# Altium PCB PROC054D_MMWCAS_RF_EVM.PcbDoc (part 3 of 14)
Units mil, origin at the board's own origin, x right, y up, seen from the top; angles counter-clockwise.
Board outline 6299.21 x 5370.07 mil, 8 copper layers (L1 TOP, L2 GND, L3 SIGNAL 1, L4 GND, L5 SIGNAL 2, L6 SIGNAL 3, L7 GND, L8 BOTTOM), stack 53.5 mil thick; 775 components, 552 nets, 2648 pads, 7845 vias.
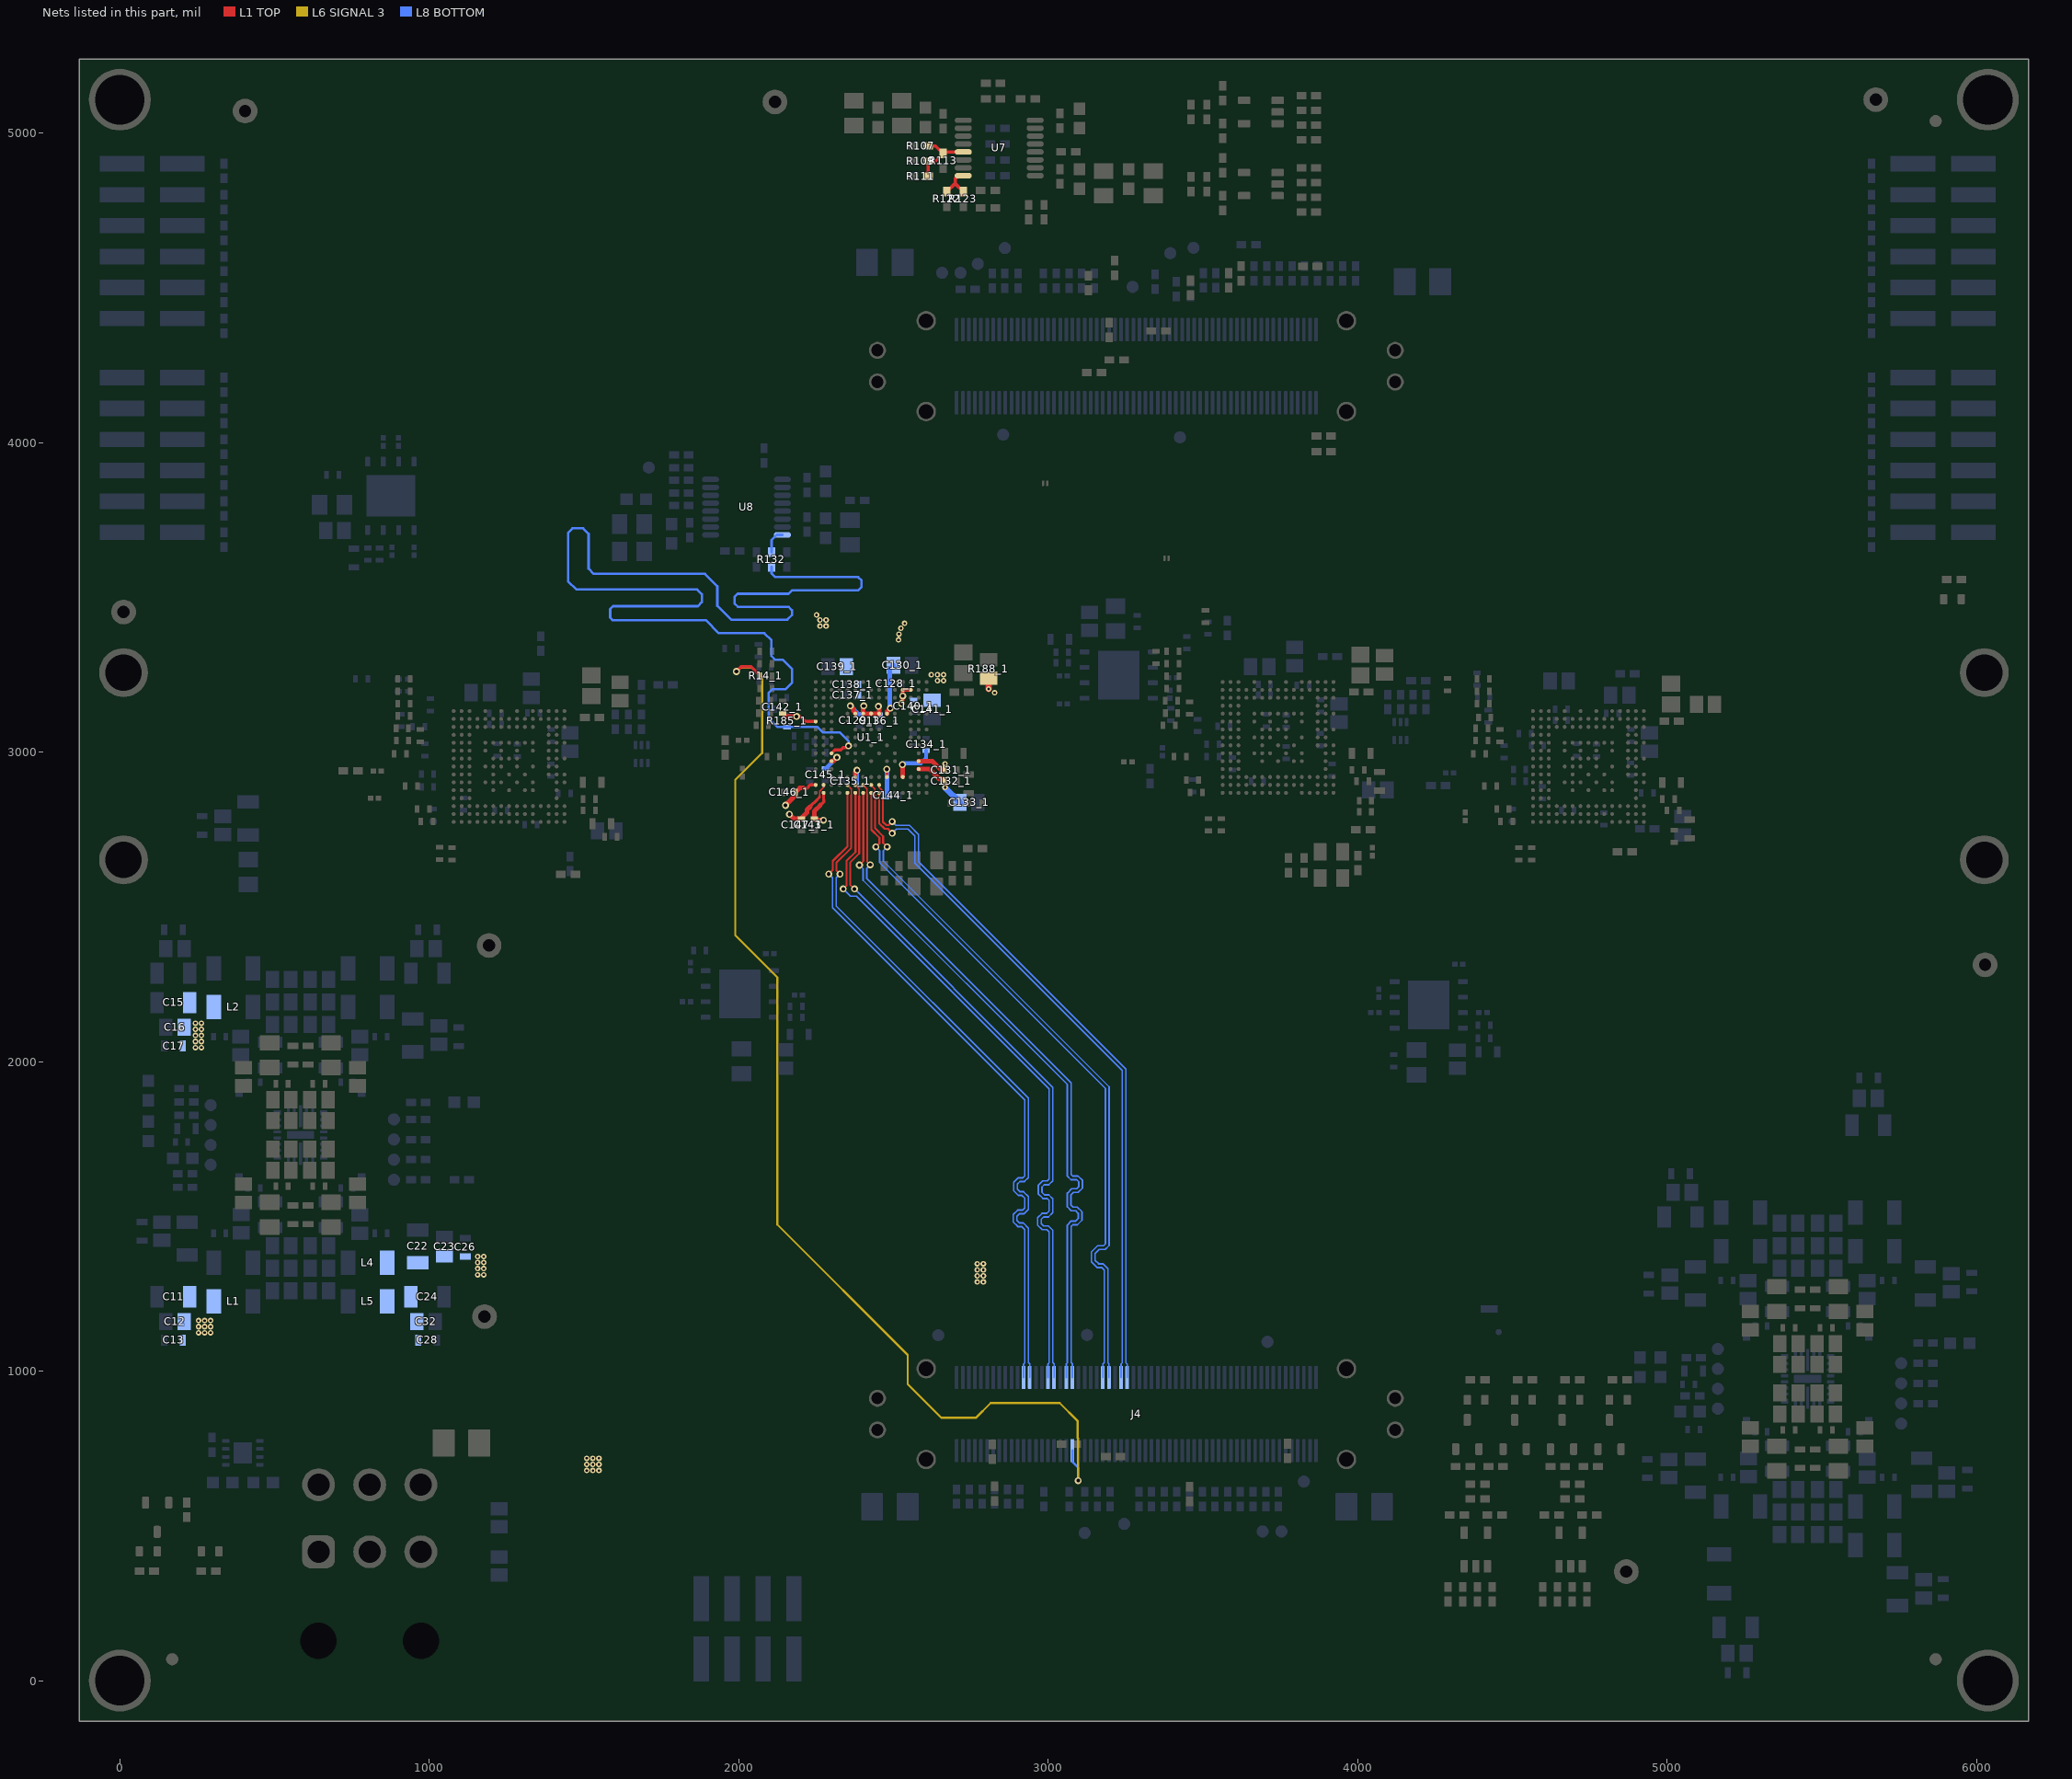
[diagram p9: the nets of this part, all layers, seen from the top]

## Components (designator, comment, footprint, x,y, rotation, side; value= is the part's Value field where it differs from the comment) (continued)
TP12 "TP_SM_1MM" TP_SM_1MM 3125.61,1116.7 r90 bottom locked
TP13 "TP_SM_1MM" TP_SM_1MM 3425.79,4016.95 r90 bottom locked
TP14 "TP_SM_1MM" TP_SM_1MM 293.43,1795.08 r90 bottom locked
TP15 "TP_SM_1MM" TP_SM_1MM 3709,1094.73 r90 bottom locked
TP16 "5001" Keystone5001 12.11,3452.63 r90 bottom
TP17 "5001" Keystone5001 2117.05,5100.49 r90 bottom
TP18 "5001" Keystone5001 6027.77,2312.91 r90 bottom
TP19 "5001" Keystone5001 1193.1,2375.16 r180 bottom locked
TP20 "5001" Keystone5001 4868.23,352.27 r90 bottom locked
TP21 "TP_SM_1MM" TP_SM_1MM 5164.16,1071.47 r0 bottom locked
TP22 "TP_SM_1MM" TP_SM_1MM 5756.51,1025.4 r180 bottom locked
TP23 "TP_SM_1MM" TP_SM_1MM 5756.51,830.34 r0 bottom locked
TP24 "TP_SM_1MM" TP_SM_1MM 5164.16,878.74 r0 bottom locked
TP25 "5001" Keystone5001 1178.5,1176.1 r90 bottom locked
TP26 "TP_SM_1MM" TP_SM_1MM 5756.51,960.38 r0 bottom locked
TP27 "TP_SM_1MM" TP_SM_1MM 5756.51,895.36 r90 bottom locked
TP28 "TP_SM_1MM" TP_SM_1MM 5164.16,942.99 r180 bottom locked
TP29 "5001" Keystone5001 404.68,5071.3 r90 bottom locked
TP30 "5001" Keystone5001 5674.54,5108 r90 bottom locked
TP31 "TP_SM_1MM" TP_SM_1MM 5164.16,1007.23 r0 bottom locked
TP32 "TP_SM_1MM" TP_SM_1MM 2645.03,1115.91 r90 bottom locked
TP33 "TP_SM_1MM" TP_SM_1MM 2657.29,4548.68 r270 bottom locked
U1_1 "XA2243PBGABL" ABL0161A 2427.89,3047.5 r270 top locked (schematic designator U1)
U1_2 "XA2243PBGABL" ABL0161A 4745.89,2953.5 r270 top locked (schematic designator U1)
U1_3 "XA2243PBGABL" ABL0161A 3742.89,3047.5 r270 top locked (schematic designator U1)
U1_4 "XA2243PBGABL" ABL0161A 1257.89,2953.5 r270 top locked (schematic designator U1)
U2_1 "MX25V1635FZNQ" WSON-8L_6x5MM_EP 2003.3,2218.45 r0 bottom locked (schematic designator U2)
U2_2 "MX25V1635FZNQ" WSON-8L_6x5MM_EP 4229.96,2183.17 r0 bottom locked (schematic designator U2)
U2_3 "MX25V1635FZNQ" WSON-8L_6x5MM_EP 3227.96,3249 r180 bottom locked (schematic designator U2)
U2_4 "MX25V1635FZNQ" WSON-8L_6x5MM_EP 875.89,3828.1 r270 bottom locked (schematic designator U2)
U3 "LP87524PRNFTQ1" RNF0026C 583.54,1762.96 r180 bottom locked
U4 "LP87524PRNFTQ1" RNF0026C 5454.26,975.11 r180 bottom locked
U5 "TPS73733QDRBRQ1" DRB0008A 397.12,735.77 r0 bottom locked
U6 "SN74LVC1G08QDBVRQ1" DBV0005A_N 4381.99,423.71 r90 top locked
U7 "LMK00804BPW" PW0016A_N 2841.71,4951.93 r0 top locked
U8 "LMK00804BPW" PW0016A_N 2025.04,3791.39 r0 bottom locked
U9 "TMP112AIDRLR" DRL0006A 1686.3,2993.69 r90 bottom locked
U10 "TMP112AIDRLR" DRL0006A 4138.46,3067.69 r90 bottom locked
U11 "SN74LVC1G08QDBVRQ1" DBV0005A_N 4688.44,423.71 r90 top locked
U12 "SN74LVC1G08QDBVRQ1" DBV0005A_N 3687.37,4835.22 r180 top locked
U13 "SN74LVC1G08QDBVRQ1" DBV0005A_N 3687.37,5068.27 r180 top locked
Y1 "CX3225SA40000D0PTWCC" Kyocera_CX3225SA 2603.53,2608 r0 top locked
Y2 "CX3225SA40000D0PTWCC" Kyocera_CX3225SA 3915.34,2635.31 r0 top locked
ZZ1 "These assemblies AWRe ESD sensitive, ESD precautions shall be observed." AssemblyNote 450,6075 r0 top
ZZ2 "These assemblies must be clean and free from flux and all contaminants. Use of no clean flux is not acceptable." AssemblyNote 450,5975 r0 top
ZZ3 "These assemblies must comply with workmanship standAWRds IPC-A-610 Class 2, unless otherwise specified." AssemblyNote 450,5875 r0 top
ZZ4 "R136/R140 require special attention due to no solder-mask RF construction. For any questions, please contact TI design team." AssemblyNote 450,5775 r0 top

## Footprints (in the part's own frame and the unit in brackets; to place one, negate y for a bottom-side part, rotate by r counter-clockwise, add the part's x,y. Pads: shape width x height; smd on the part's side, far side on the other; paste and mask are expansions set on the pad)
19S101_40ML5 [mil] "Connector, RF 50 Ohm Impedance"
  rect 23.62x55.12 smd: 1(0,-110.24)
  round 20 smd: 2(-75,-79)
  L1 TOP region: -102.36,102.36 102.36,102.36 102.36,-102.36 39.37,-102.36 39.37,-69.5 39.04,-69.08 66.35,-43.44 78.82,-8.13 73.67,28.97 52.05,59.55 18.79,76.77 -18.66,76.79 -51.93,59.59 -73.58,29.03 -78.76,-8.07 -66.31,-43.39 -39.03,-69.05 -39.03,-69.05 -39.37,-69.05 -39.37,-102.36 -102.36,-102.36
  body extent -98,-98 98,98, height 161
0201 [mm] "Data from Kemet datasheet CC101_COM dated 7/28/11"
  rect 0.46x0.42 smd: 1(-0.33,0) 2(0.33,0)
  body extent -0.31,-0.16 0.31,0.16, height 0.26
0402 [mm] "0402 from SM-752 data"
  rect 0.8x0.6 smd: 1(-0.6,0) 2(0.6,0)
  silkscreen extent -1.22,-0.52 1.22,0.52, body extent -0.55,-0.3 0.55,0.3, height 0.6
0402S [mil] "Based on C0402S footprint from PADS legacy"
  rect 15x24 smd: 1(-20,0) 2(20,0)
  body extent -22,-12 22,12, height 24
0603 [mm] "0603 from SM-752 data"
  rect 1x0.95 smd: 1(-0.8,0) 2(0.8,0)
  silkscreen extent -1.52,-0.69 1.52,0.69, body extent -0.87,-0.47 0.87,0.47, height 1
0603S [mil]
  rect 20x35 smd: 1(-30,0) 2(30,0)
  body extent -34,-19 34,19, height 39
0805 [mm] "0805 from SM-752 data"
  rect 1.3x1.5 smd: 1(-0.85,0) 2(0.85,0)
  silkscreen extent -1.72,-0.97 1.72,0.97, body extent -1.1,-0.72 1.1,0.72, height 1.45
0805_HV [mil] "0805 with 30mil clearance between pads"
  rect 50x63 smd: 1(-40,0) 2(40,0)
  silkscreen extent -74,-40 74,40, body extent -43,-29 43,29, height 57
0805L [mm] "0805 from SM-752 data"
  rect 1.1x1.4 smd: 1(-0.75,0) 2(0.75,0)
  body extent -1.1,-0.72 1.1,0.72, height 1.45
1206_180L [mm] "1206_180"
  rect 1.1x1.75 smd: 1(-1.35,0) 2(1.35,0)
  silkscreen extent -0.4,-0.77 0.4,0.77, body extent -1.75,-0.95 1.75,0.95, height 1.8
02016 [mm] "SMD, 2-Leads, Body 0.48x0.39mm"
  rrect53% 0.19x0.44 smd: 1(-0.17,0) 2(0.17,0)
  body extent -0.29,-0.25 0.29,0.25, height 0.55
3528-21 [mm] "Medium Density IPC, based on Kemet datasheet 2016-10-20"
  rrect6% 1.8x2.23 smd: 1(-1.46,0) 2(1.46,0)
  silkscreen extent -2.29,-1.5 0.76,1.5, body extent -1.85,-1.5 1.85,1.5, height 2.12
ABL0161A [mm] "BGA, 161-Balls, Body 10.4x10.4mm, Pitch 0.65mm"
  round 0.32 smd mask+0.05: A1(-4.55,4.55) A2(-3.9,4.55) A3(-3.25,4.55) A5(-1.95,4.55) A7(-0.65,4.55) A9(0.65,4.55) A10(1.3,4.55) A13(3.25,4.55) A14(3.9,4.55) A15(4.55,4.55) B1(-4.55,3.9) B2(-3.9,3.9) B3(-3.25,3.9) B4(-2.6,3.9) B5(-1.95,3.9) B6(-1.3,3.9) B7(-0.65,3.9) B8(0,3.9) B9(0.65,3.9) B10(1.3,3.9) B11(1.95,3.9) B12(2.6,3.9) B13(3.25,3.9) B14(3.9,3.9) B15(4.55,3.9) C1(-4.55,3.25) C2(-3.9,3.25) C3(-3.25,3.25) C4(-2.6,3.25) C5(-1.95,3.25) C6(-1.3,3.25) C7(-0.65,3.25) C8(0,3.25) C9(0.65,3.25) C13(3.25,3.25) C14(3.9,3.25) C15(4.55,3.25) D1(-4.55,2.6) D2(-3.9,2.6) D13(3.25,2.6) D15(4.55,2.6) E1(-4.55,1.95) E2(-3.9,1.95) E3(-3.25,1.95) E5(-1.95,1.95) E6(-1.3,1.95) E8(0,1.95) E10(1.3,1.95) E11(1.95,1.95) E13(3.25,1.95) E14(3.9,1.95) E15(4.55,1.95) F2(-3.9,1.3) F3(-3.25,1.3) F5(-1.95,1.3) F9(0.65,1.3) F11(1.95,1.3) F13(3.25,1.3) F14(3.9,1.3) G1(-4.55,0.65) G2(-3.9,0.65) G3(-3.25,0.65) G5(-1.95,0.65) G6(-1.3,0.65) G7(-0.65,0.65) G8(0,0.65) G10(1.3,0.65) G13(3.25,0.65) G14(3.9,0.65) G15(4.55,0.65) H2(-3.9,0) H3(-3.25,0) H5(-1.95,0) H7(-0.65,0) H9(0.65,0) H11(1.95,0) H13(3.25,0) H14(3.9,0) H15(4.55,0) J1(-4.55,-0.65) J2(-3.9,-0.65) J3(-3.25,-0.65) J5(-1.95,-0.65) J6(-1.3,-0.65) J7(-0.65,-0.65) J8(0,-0.65) J10(1.3,-0.65) J13(3.25,-0.65) J14(3.9,-0.65) J15(4.55,-0.65) K2(-3.9,-1.3) K3(-3.25,-1.3) K5(-1.95,-1.3) K7(-0.65,-1.3) K8(0,-1.3) K9(0.65,-1.3) K10(1.3,-1.3) K11(1.95,-1.3) K13(3.25,-1.3) K14(3.9,-1.3) K15(4.55,-1.3) L1(-4.55,-1.95) L2(-3.9,-1.95) L3(-3.25,-1.95) L5(-1.95,-1.95) L6(-1.3,-1.95) L8(0,-1.95) L10(1.3,-1.95) L13(3.25,-1.95) L14(3.9,-1.95) L15(4.55,-1.95) M2(-3.9,-2.6) M3(-3.25,-2.6) M13(3.25,-2.6) M14(3.9,-2.6) M15(4.55,-2.6) N1(-4.55,-3.25) N2(-3.9,-3.25) N3(-3.25,-3.25) N4(-2.6,-3.25) N5(-1.95,-3.25) N6(-1.3,-3.25) N7(-0.65,-3.25) N8(0,-3.25) N9(0.65,-3.25) N10(1.3,-3.25) N11(1.95,-3.25) N12(2.6,-3.25) N13(3.25,-3.25) N14(3.9,-3.25) N15(4.55,-3.25) P1(-4.55,-3.9) P2(-3.9,-3.9) P3(-3.25,-3.9) P4(-2.6,-3.9) P5(-1.95,-3.9) P6(-1.3,-3.9) P7(-0.65,-3.9) P8(0,-3.9) P9(0.65,-3.9) P10(1.3,-3.9) P11(1.95,-3.9) P12(2.6,-3.9) P13(3.25,-3.9) P14(3.9,-3.9) P15(4.55,-3.9) R1(-4.55,-4.55) R2(-3.9,-4.55) R3(-3.25,-4.55) R4(-2.6,-4.55) R5(-1.95,-4.55) R6(-1.3,-4.55) R7(-0.65,-4.55) R8(0,-4.55) R9(0.65,-4.55) R10(1.3,-4.55) R11(1.95,-4.55) R12(2.6,-4.55) R13(3.25,-4.55) R14(3.9,-4.55) R15(4.55,-4.55)
  silkscreen extent -5.3,-5.3 5.3,5.3, body extent -5.2,-5.2 5.2,5.2, height 0.62
AssemblyNote [mil] "Assembly Note"
CE_Mark_5mm [mil] "Minimum text height for CE Mark"
  silkscreen extent -138,-98 138,98
DBV0005A_N [mm] "SOT23, 5-Leads, Body 2.9x1.6mm, Pitch 0.95mm, Lead Span 2.8mm, IPC Medium Density"
  rrect17% 1x0.6 smd: 1(-1.375,0.95) 2(-1.375,0) 3(-1.375,-0.95) 4(1.375,-0.95) 5(1.375,0.95)
  silkscreen extent -0.25,-1.55 0.25,1.55, body extent -1.42,-1.46 1.42,1.46, height 1.09
DFE252012P [mm] "TOKO, Pad sizes increased as per request"
  rect 0.9x2 smd: 1(-1.05,0) 2(1.05,0)
  silkscreen extent -0.3,-1.2 0.3,1.2, body extent -1.35,-1.1 1.35,1.1, height 1.2
DRB0008A [mm] "SON, 8-Leads, Body 3x3mm, Pitch 0.65mm, Thermal Pad 1.75x1.5mm, TI Recommended"
  rrect33% 0.6x0.3 smd: 1(-1.4,0.975) 2(-1.4,0.325) 3(-1.4,-0.325) 4(-1.4,-0.975) 5(1.4,-0.975) 6(1.4,-0.325) 7(1.4,0.325) 8(1.4,0.975)
  rrect7% 1.5x1.75 smd paste-0.75: 9(0,0)
  L1 TOP region: -0.465,-1.5 -0.465,-0.875 -0.75,-0.875 -0.75,0.875 -0.465,0.875 -0.465,1.5 -0.185,1.5 -0.185,0.875 0.185,0.875 0.185,1.5 0.465,1.5 0.465,0.875 0.75,0.875 0.75,-0.875 0.465,-0.875 0.465,-1.5 0.185,-1.5 0.185,-0.875 -0.185,-0.875 -0.185,-1.5
  silkscreen extent -1.73,-1.73 1.73,1.73, body extent -1.58,-1.57 1.57,1.58, height 1.01
DRL0006A [mm] "SOTFL, 6-Flat Leads, Body 1.2x1.6x0.6mm, Pitch 0.5mm, TI recommended"
  rrect33% 0.67x0.3 smd: 1(-0.74,0.5) 2(-0.74,0) 3(-0.74,-0.5) 4(0.74,-0.5) 5(0.74,0) 6(0.74,0.5)
  silkscreen extent -0.9,-0.95 0.5,0.95, body extent -0.8,-0.8 0.8,0.8, height 0.61
ESD_Overlay_Large [mil]
  silkscreen extent -254,-219 250,219
FCC_disclaimer [mil]
Fiducial10-20 [mm]
  round 1 smd mask+0.5: 1(0,0)
  L1 TOP keep-out circle w1.178: c0,0 r0.5
Hirose_FX23-120P-0_5SV15 [mm] "Header(shrouded), 0.5mm, 60x2, SMT"
  rrect33% 1.9x0.3 smd: 1(-3,14.75) 2(-3,14.25) 3(-3,13.75) 4(-3,13.25) 5(-3,12.75) 6(-3,12.25) 7(-3,11.75) 8(-3,11.25) 9(-3,10.75) 10(-3,10.25) 11(-3,9.75) 12(-3,9.25) 13(-3,8.75) 14(-3,8.25) 15(-3,7.75) 16(-3,7.25) 17(-3,6.75) 18(-3,6.25) 19(-3,5.75) 20(-3,5.25) 21(-3,4.75) 22(-3,4.25) 23(-3,3.75) 24(-3,3.25) 25(-3,2.75) 26(-3,2.25) 27(-3,1.75) 28(-3,1.25) 29(-3,0.75) 30(-3,0.25) 31(-3,-0.25) 32(-3,-0.75) 33(-3,-1.25) 34(-3,-1.75) 35(-3,-2.25) 36(-3,-2.75) 37(-3,-3.25) 38(-3,-3.75) 39(-3,-4.25) 40(-3,-4.75) 41(-3,-5.25) 42(-3,-5.75) 43(-3,-6.25) 44(-3,-6.75) 45(-3,-7.25) 46(-3,-7.75) 47(-3,-8.25) 48(-3,-8.75) 49(-3,-9.25) 50(-3,-9.75) 51(-3,-10.25) 52(-3,-10.75) 53(-3,-11.25) 54(-3,-11.75) 55(-3,-12.25) 56(-3,-12.75) 57(-3,-13.25) 58(-3,-13.75) 59(-3,-14.25) 60(-3,-14.75) 61(3,14.75) 62(3,14.25) 63(3,13.75) 64(3,13.25) 65(3,12.75) 66(3,12.25) 67(3,11.75) 68(3,11.25) 69(3,10.75) 70(3,10.25) 71(3,9.75) 72(3,9.25) 73(3,8.75) 74(3,8.25) 75(3,7.75) 76(3,7.25) 77(3,6.75) 78(3,6.25) 79(3,5.75) 80(3,5.25) 81(3,4.75) 82(3,4.25) 83(3,3.75) 84(3,3.25) 85(3,2.75) 86(3,2.25) 87(3,1.75) 88(3,1.25) 89(3,0.75) 90(3,0.25) 91(3,-0.25) 92(3,-0.75) 93(3,-1.25) 94(3,-1.75) 95(3,-2.25) 96(3,-2.75) 97(3,-3.25) 98(3,-3.75) 99(3,-4.25) 100(3,-4.75) 101(3,-5.25) 102(3,-5.75) 103(3,-6.25) 104(3,-6.75) 105(3,-7.25) 106(3,-7.75) 107(3,-8.25) 108(3,-8.75) 109(3,-9.25) 110(3,-9.75) 111(3,-10.25) 112(3,-10.75) 113(3,-11.25) 114(3,-11.75) 115(3,-12.25) 116(3,-12.75) 117(3,-13.25) 118(3,-13.75) 119(3,-14.25) 120(3,-14.75)
  round 1.4 hole 1: MH1(-1.3,21.25) MH1(1.3,21.25) MH2(-1.3,-21.25) MH2(1.3,-21.25)
  round 1.6 hole 1.2: P1(-3.725,17.25) P2(-3.725,-17.25) P3(3.725,17.25) P4(3.725,-17.25)
  body extent -4.6,-22 4.6,22, height 13.15
IEC_HotSurface_Large [mil]
  silkscreen extent -435,-375 435,378
Keystone5001 [mil] "For Keystone 500x miniature loop terminals"
  round 80 hole 40: 1(0,0)
  silkscreen extent -52,-52 52,52, body extent -49,-49 49,49, height 182
Kyocera_CX3225SA [mm] "SMD, 4-Leads, Body 3.2x2.5mm"
  rrect10% 1.05x1.45 smd: 1(-0.925,1.075) 2(-0.925,-1.075) 3(0.925,-1.075) 4(0.925,1.075)
  silkscreen extent -1.86,1.09 -1.74,1.21, body extent -1.3,-1.65 1.3,1.65, height 0.9
Molex_0039300060 [mm] "Header(shrouded), 4.2mm, 3x2, R/A, TH"
  rrect50% 2.7x2.7 hole 1.8: 1(-7.3,4.2)
  round 2.7 hole 1.8: 2(-7.3,0) 3(-7.3,-4.2) 4(-12.8,4.2) 5(-12.8,0) 6(-12.8,-4.2)
  round 2.7 hole 3 unplated mask+0.102: ALIGN1(0,4.2) ALIGN2(0,-4.2)
  body extent -13.33,-6.9 6.6,7.3, height 11.4
NLCV32 [mm] "TDK"
  rect 1.2x2 smd: 1(-1.6,0) 2(1.6,0)
  silkscreen extent -0.9,-1.4 0.9,1.4, body extent -1.7,-1.35 1.7,1.35, height 2.4
PW0016A_N [mm] "TSOP, 16-Leads, Body 5x4.4mm, Pitch 0.65mm, IPC Medium Density"
  oval 1.4x0.45 smd: 1(-2.95,2.275) 2(-2.95,1.625) 3(-2.95,0.975) 4(-2.95,0.325) 5(-2.95,-0.325) 6(-2.95,-0.975) 7(-2.95,-1.625) 8(-2.95,-2.275) 9(2.95,-2.275) 10(2.95,-1.625) 11(2.95,-0.975) 12(2.95,-0.325) 13(2.95,0.325) 14(2.95,0.975) 15(2.95,1.625) 16(2.95,2.275)
  silkscreen extent -3.5,-2.55 1.85,2.75, body extent -3.21,-2.5 3.21,2.5, height 1
RNF0026C [mm] "QFN, 26-Leads, Body 4x4.5mm, Pitch 0.5mm"
  rrect25% 0.6x0.4 smd paste-0.3: 1(-1.9,1.825) 8(-1.9,-1.825) 14(1.9,-1.825) 21(1.9,1.825)
  rrect40% 0.6x0.25 smd paste+0: 2(-1.9,1.25) 3(-1.9,0.75) 4(-1.9,0.25) 5(-1.9,-0.25) 6(-1.9,-0.75) 7(-1.9,-1.25) 15(1.9,-1.25) 16(1.9,-0.75) 17(1.9,-0.25) 18(1.9,0.25) 19(1.9,0.75) 20(1.9,1.25)
  rrect40% 0.25x1.82 smd paste-1: 9(-1,-1.54) 10(-0.5,-1.54) 11(0,-1.54) 12(0.5,-1.54) 13(1,-1.54) 22(1,1.54) 23(0.5,1.54) 24(0,1.54) 25(-0.5,1.54) 26(-1,1.54)
  rrect15% 2.24x0.66 smd paste-1: 27(0,0)
  rrect33% 0.6x0.3 on Bottom Paste: ""(-1.9,-1.775) ""(-1.9,1.775) ""(1.9,-1.775) ""(1.9,1.775)
  rrect33% 0.3x0.825 on Bottom Paste: ""(-1.575,-2.037) ""(-1.575,2.037) ""(1.575,-2.037) ""(1.575,2.037)
  rrect40% 0.25x0.81 on Bottom Paste: ""(-1,-2.045) ""(-1,-1.035) ""(-1,1.035) ""(-1,2.045) ""(-0.5,-2.045) ""(-0.5,-1.035) ""(-0.5,1.035) ""(-0.5,2.045) ""(0,-2.045) ""(0,-1.035) ""(0,1.035) ""(0,2.045) ""(0.5,-2.045) ""(0.5,-1.035) ""(0.5,1.035) ""(0.5,2.045) ""(1,-2.045) ""(1,-1.035) ""(1,1.035) ""(1,2.045)
  rrect15% 0.98x0.66 on Bottom Paste: ""(-0.59,0) ""(0.59,0)
  L1 TOP region: -1.775,-2.4 -1.775,-1.675 -1.771,-1.656 -1.76,-1.64 -1.744,-1.629 -1.725,-1.625 -1.725,-1.625 -1.475,-1.625 -1.456,-1.629 -1.44,-1.64 -1.429,-1.656 -1.425,-1.675 -1.425,-1.675 -1.425,-2.4 -1.429,-2.419 -1.44,-2.435 -1.456,-2.446 -1.475,-2.45 -1.475,-2.45 -1.725,-2.45 -1.744,-2.446 -1.76,-2.435 -1.771,-2.419 -1.775,-2.4
  L1 TOP region: 1.425,-2.4 1.425,-1.675 1.429,-1.656 1.44,-1.64 1.456,-1.629 1.475,-1.625 1.475,-1.625 1.725,-1.625 1.744,-1.629 1.76,-1.64 1.771,-1.656 1.775,-1.675 1.775,-1.675 1.775,-2.4 1.771,-2.419 1.76,-2.435 1.744,-2.446 1.725,-2.45 1.725,-2.45 1.475,-2.45 1.456,-2.446 1.44,-2.435 1.429,-2.419 1.425,-2.4
  L1 TOP region: 1.425,1.675 1.425,2.4 1.429,2.419 1.44,2.435 1.456,2.446 1.475,2.45 1.475,2.45 1.725,2.45 1.744,2.446 1.76,2.435 1.771,2.419 1.775,2.4 1.775,2.4 1.775,1.675 1.771,1.656 1.76,1.64 1.744,1.629 1.725,1.625 1.725,1.625 1.475,1.625 1.456,1.629 1.44,1.64 1.429,1.656 1.425,1.675
  L1 TOP region: -1.775,1.675 -1.775,2.4 -1.771,2.419 -1.76,2.435 -1.744,2.446 -1.725,2.45 -1.725,2.45 -1.475,2.45 -1.456,2.446 -1.44,2.435 -1.429,2.419 -1.425,2.4 -1.425,2.4 -1.425,1.675 -1.429,1.656 -1.44,1.64 -1.456,1.629 -1.475,1.625 -1.475,1.625 -1.725,1.625 -1.744,1.629 -1.76,1.64 -1.771,1.656 -1.775,1.675
  silkscreen extent -2.45,-2.7 2.45,2.7, body extent -2,-2.25 2,2.25, height 0.9
Samtec_TSM-104-01-x-DV [mm] "Header, 2.54mm, 4x2, SMT"
  rect 3.68x1.27 smd: 1(-2.475,3.81) 2(2.475,3.81) 3(-2.475,1.27) 4(2.475,1.27) 5(-2.475,-1.27) 6(2.475,-1.27) 7(-2.475,-3.81) 8(2.475,-3.81)
  silkscreen extent -1.65,-5.08 1.65,5.22, body extent -3.85,-5.08 3.85,5.08, height 9.65
Samtec_TSM-106-01-x-DV [mm] "Header, 2.54mm, 6x2, SMT"
  rect 3.68x1.27 smd: 1(-2.475,6.35) 2(2.475,6.35) 3(-2.475,3.81) 4(2.475,3.81) 5(-2.475,1.27) 6(2.475,1.27) 7(-2.475,-1.27) 8(2.475,-1.27) 9(-2.475,-3.81) 10(2.475,-3.81) 11(-2.475,-6.35) 12(2.475,-6.35)
  silkscreen extent -1.65,-7.62 1.65,7.76, body extent -3.85,-7.62 3.85,7.62, height 9.65
SOT-23 [mm] "SOT23, 3-Leads, Body 2.9x1.3mm, Pitch 0.95mm, Lead Span 2.5mm, IPC Medium Density"
  rrect50% 1x0.6 smd: 1(-1.2,0.95) 2(-1.2,-0.95) 3(1.2,0)
  silkscreen extent -1.62,-1.5 0.7,1.5, body extent -1.16,-1.45 1.21,1.45, height 1
TI_Stacked_Overlay_Small [mil]
  silkscreen extent -418,-98 418,98
TLMx1000_Red [mm] "SMD, 2-Leads, Body 1.6x0.8mm"
  rrect17% 0.6x0.8 smd: 1(-0.725,0) 2(0.725,0)
  silkscreen extent -0.97,-0.8 1.6,0.8, body extent -0.85,-0.45 0.85,0.45, height 0.65
TLMx1000_Yellow [mm] "SMD, 2-Leads, Body 1.6x0.8mm"
  rrect17% 0.6x0.8 smd: 1(-0.725,0) 2(0.725,0)
  silkscreen extent -0.97,-0.8 1.6,0.8, body extent -0.85,-0.45 0.85,0.45, height 0.65
TP_SM_1MM [mm] "1mm Test Point, SMT"
  round 1 smd paste-0.5: 1(0,0)
WEEE_Minimum [mil] "WEEElie bin"
  silkscreen extent -95,-172 99,104
WSON-8L_6x5MM_EP [mm] "SMD, 8-Leads, Body 6x5mm, Pitch 1.27mm"
  rrect25% 0.8x0.4 smd: 1(-2.8,1.905) 2(-2.8,0.635) 3(-2.8,-0.635) 4(-2.8,-1.905) 5(2.8,-1.905) 6(2.8,-0.635) 7(2.8,0.635) 8(2.8,1.905)
  rrect3% 3.4x4 smd paste-3: 9(0,0)
  rrect7% 1.468x1.698 on Bottom Paste: ""(-0.834,-0.949) ""(-0.834,0.949) ""(0.834,-0.949) ""(0.834,0.949)
  silkscreen extent -3.2,-2.7 3.2,2.7, body extent -3.05,-2.55 3.05,2.55, height 0.8

## Part data
C1_1 C1_2 C1_3 C1_4 C3_1 C3_2 C3_3 C3_4 C7_1 C7_2 C7_3 C7_4: library part CMP-0007136-5, "CAP, CERM, 1 uF, 16 V, +/- 10%, X7R, AEC-Q200 Grade 1, 0603", Cap_Case=0603, Manufacturer=MuRata, Supplier Part Number 1=490-5241-6-ND, TempCo=X7R, Tolerance_%=10%, Value1=Unknown, Value2=16V, ValueDisplayed=1uF, AEC Category=Q200, AEC Grade=1, AEC Qualified=Y, Cap_F=1µF, ComponentLink1Description="Datasheet link", ComponentLink1URL=http://psearch.en.murata.com/capacitor/product/GCM188R71C105KA64%23.pdf, CompType=Capacitor, LatestRevisionDate=2017-03-09, MountType=SMT, PackageReference=0603, PartNumber=GCM188R71C105KA64D, Polarized=N, Published=2008-06-19, Publisher="Texas Instruments", RoHS=Y, SizeArea_mm2=1.28, SizeAreaWB_mm2=4.68, SizeX_mm=1.6, SizeY_mm=0.8, SizeZ_mm=1, Supplier 1=Digi-Key, Supplier 2=Mouser, Supplier Part Number 2=81-GCM188R71C105K64D, TaMax_C=125°C, TaMin_C=-55°C, Technology=Ceramic, U/M=EA, VDC_V=16V
C2_1 C2_2 C2_3 C2_4 C4_1 C4_2 C4_3 C4_4 C128_1 C128_2 C128_3 C128_4 C129_1 C129_2 C129_3 C129_4 C131_1 C131_2 C131_3 C131_4 C132_1 C132_2 C132_3 C132_4 C134_1 C134_2 C134_3 C134_4 C135_1 C135_2 C135_3 C135_4 C136_1 C136_2 C136_3 C136_4 C137_1 C137_2 C137_3 C137_4 C138_1 C138_2 C138_3 C138_4 C140_1 C140_2 C140_3 C140_4 C142_1 C142_2 C142_3 C142_4 C143_1 C143_2 C143_3 C143_4 C144_1 C144_2 C144_3 C144_4 C145_1 C145_2 C145_3 C145_4 C148_1 C148_2 C148_3 C148_4 C170 C177 C179 C182 C186 C188: library part CMP-0078265-1, "CAP, CERM, 0.22 µF, 16 V,+/- 10%, X7R, AEC-Q200 Grade 1, 0402", Cap_Case=0402, Manufacturer=MuRata, Supplier Part Number 1=490-10671-1-ND, TempCo=X7R, Tolerance_%=10%, Value2=16V, ValueDisplayed=0.22µF, AEC Category=Q200, AEC Grade=1, AEC Qualified=Y, Cap_F=220nF, ComponentLink1Description="Datasheet link", ComponentLink1URL=http://psearch.en.murata.com/capacitor/product/GCM155R71C224KE02%23.pdf, CompType=Capacitor, MountType=SMT, PackageReference=0402, PartNumber=GCM155R71C224KE02D, Polarized=N, RoHS=Y, SizeArea_mm2=0.5, SizeAreaWB_mm2=3, SizeX_mm=1, SizeY_mm=0.5, SizeZ_mm=0.6, Supplier 1=Digi-Key, Supplier 2=Mouser, Supplier Part Number 2=81-GCM155R71C224KE2D, TaMax_C=125°C, TaMin_C=-55°C, Technology=Ceramic, U/M=EA, VDC_V=16V
C5_1 C5_2 C5_3 C5_4 C6_1 C6_2 C6_3 C6_4 C10 C12 C14 C16 C19 C23 C25 C27 C29 C31 C32 C33 C35 C70 C72 C74 C76 C80 C82 C84 C86 C88 C89 C90 C92 C130_1 C130_2 C130_3 C130_4 C133_1 C133_2 C133_3 C133_4 C139_1 C139_2 C139_3 C139_4 C141_1 C141_2 C141_3 C141_4 C151 C153 C155 C157 C159 C161 C169 C172 C175 C176 C181 C184 C185 C201 C207: library part CMP-0008017-2, "CAP, CERM, 10 uF, 10 V, +/- 10%, X7R, 0805", Cap_Case=0805, Manufacturer=MuRata, Supplier Part Number 1=490-10674-1-ND, TempCo=X7R, Tolerance_%=10%, Value1=Unknown, Value2=10V, ValueDisplayed=10uF, AEC Category=Q200, AEC Qualified=?, Cap_F=10µF, ComponentLink1Description="Datasheet link", ComponentLink1URL=http://www.murata.com/products/catalog/pdf/c03e.pdf, CompType=Capacitor, LatestRevisionDate=2017-03-09, MountType=SMT, PackageReference=0805, PartNumber=GCM21BR71A106KE22L, Polarized=N, Published=2008-06-19, Publisher="Texas Instruments", RoHS=Y, SizeArea_mm2=2.5, SizeAreaWB_mm2=6.75, SizeX_mm=2, SizeY_mm=1.25, SizeZ_mm=1.45, Supplier 1=Digi-Key, Supplier 2=Newark, Supplier 3=Mouser, Supplier Part Number 2=06AC6014, Supplier Part Number 3=81-GCM21BR71A106KE2L, TaMax_C=125°C, TaMin_C=-55°C, Technology=Ceramic, U/M=EA, VDC_V=10V
C8_1 C8_2 C8_3 C8_4 C94 C149 C196 C197 C198 C200 C205 C206: library part CMP-0006325-2, "CAP, CERM, 0.1 uF, 50 V, +/- 10%, X7R, AEC-Q200 Grade 1, 0402", Cap_Case=0402, Manufacturer=TDK, Supplier Part Number 1=445-6899-1-ND, TempCo=X7R, Tolerance_%=10%, Value1="0.039064 ohm", Value2=50V, ValueDisplayed=0.1uF, AEC Category=Q200, AEC Grade=1, AEC Qualified=Y, Cap_F=100nF, ComponentLink1Description="Datasheet link", ComponentLink1URL=https://product.tdk.com/en/search/capacitor/ceramic/mlcc/info?part_no=CGA2B3X7R1H104K050BB, CompType=Capacitor, ESR_ohm=0.039064, IRMS_A=8.14669dA, LatestRevisionDate=2017-03-09, MountType=SMT, PackageReference=0402, PartNumber=CGA2B3X7R1H104K050BB, Polarized=N, Published=2008-06-19, Publisher="Texas Instruments", RoHS=Y, SizeArea_mm2=0.5, SizeAreaWB_mm2=3, SizeX_mm=1, SizeY_mm=0.5, SizeZ_mm=0.6, Supplier 1=Digi-Key, Supplier 2=Newark, Supplier 3=Mouser, Supplier Part Number 2=04X3148, Supplier Part Number 3=810-CGA2B3X7R1H104K, TaMax_C=125°C, TaMin_C=-55°C, Technology=Ceramic, U/M=EA, VDC_V=50V
C9 C146_1 C146_2 C146_3 C146_4 C147_1 C147_2 C147_3 C147_4 C162 C163 C164 C165: library part CMP-0006351-2, "CAP, CERM, 0.1 uF, 16 V, +/- 10%, X7R, 0402", Cap_Case=0402, Manufacturer=MuRata, Supplier Part Number 1=490-4759-2-ND, TempCo=X7R, Tolerance_%=10%, Value1=Unknown, Value2=16V, ValueDisplayed=0.1uF, AEC Category=Q200, AEC Qualified=?, Cap_F=100nF, ComponentLink1Description="Datasheet link", ComponentLink1URL=http://psearch.murata.com/capacitor/product/GCM155R71C104KA55%23.pdf, CompType=Capacitor, LatestRevisionDate=2017-03-09, MountType=SMT, PackageReference=0402, PartNumber=GCM155R71C104KA55D, Polarized=N, Published=2008-06-19, Publisher="Texas Instruments", RoHS=Y, SizeArea_mm2=0.5, SizeAreaWB_mm2=3, SizeX_mm=1, SizeY_mm=0.5, SizeZ_mm=0.6, Supplier 1=Digi-Key, TaMax_C=125°C, TaMin_C=-55°C, Technology=Ceramic, U/M=EA, VDC_V=16V
C11 C15 C18 C21 C22 C24 C30 C71 C75 C79 C81 C87 C150 C154 C158 C166 C204: library part CMP-0008811-2, "CAP, CERM, 22 uF, 10 V, +/- 10%, X7R, AEC-Q200 Grade 1, 1206", Cap_Case=1206, Manufacturer=MuRata, TempCo=X7R, Tolerance_%=10%, Value1=Unknown, Value2=10V, ValueDisplayed=22uF, AEC Category=Q200, AEC Grade=1, AEC Qualified=Y, Cap_F=22µF, ComponentLink1Description="Datasheet link", ComponentLink1URL=http://psearch.en.murata.com/capacitor/product/GCM31CR71A226KE02%23.pdf, CompType=Capacitor, LatestRevisionDate=2017-03-09, MountType=SMT, PackageReference=1206, PartNumber=GCM31CR71A226KE02, Polarized=N, Published=2008-06-19, Publisher="Texas Instruments", RoHS=Y, SizeArea_mm2=5.12, SizeAreaWB_mm2=10.92, SizeX_mm=3.2, SizeY_mm=1.6, SizeZ_mm=1.8, TaMax_C=125°C, TaMin_C=-55°C, Technology=Ceramic, U/M=EA, VDC_V=10V
C13 C17 C20 C26 C28 C34 C36 C73 C77 C78 C83 C85 C91 C93 C152 C156 C160 C202 C203: library part CMP-0079154-1, "CAP, CERM, 1 µF, 16 V,+/- 10%, X7R, AEC-Q200 Grade 1, 0603", Cap_Case=0603, Manufacturer=MuRata, Supplier Part Number 1=490-12657-1-ND, TempCo=X7R, Tolerance_%=10%, Value2=16V, ValueDisplayed=1µF, AEC Category=Q200, AEC Grade=1, AEC Qualified=Y, Cap_F=1µF, ComponentLink1Description="Datasheet link", ComponentLink1URL=https://www.murata.com/~/media/webrenewal/support/library/catalog/products/capacitor/mlcc/c03e.ashx, CompType=Capacitor, MountType=SMT, PackageReference=0603, PartNumber=GCM188R71C105KA64J, Polarized=N, RoHS=Y, SizeArea_mm2=1.28, SizeAreaWB_mm2=4.68, SizeX_mm=1.6, SizeY_mm=0.8, SizeZ_mm=1, Supplier 1=Digi-Key, Supplier 2=Mouser, Supplier Part Number 2=81-GCM188R71C105KA4J, TaMax_C=125°C, TaMin_C=-55°C, Technology=Ceramic, U/M=EA, VDC_V=16V
C37 C38 C49 C50 C95 C96 C107 C108: library part CMP-0080703-2, "CAP, CERM, 390 pF, 50 V,+/- 10%, X7R, AEC-Q200 Grade 1, 0402", Cap_Case=0402, Manufacturer=MuRata, Supplier Part Number 1=81-GCM155R71H391KA7D, TempCo=X7R, Tolerance_%=10%, Value2=50V, ValueDisplayed=390pF, AEC Category=Q200, AEC Grade=1, AEC Qualified=Y, Cap_F=390pF, ComponentLink1Description="Datasheet link", ComponentLink1URL=https://search.murata.co.jp/Ceramy/image/img/A01X/G101/ENG/GCM155R71H391KA37-01.pdf, CompType=Capacitor, MountType=SMT, PackageReference=0402, PartNumber=GCM155R71H391KA37D, Polarized=N, RoHS=Y, SizeArea_mm2=0.5, SizeAreaWB_mm2=3, SizeX_mm=1, SizeY_mm=0.5, SizeZ_mm=0.6, Supplier 1=Mouser, TaMax_C=125°C, TaMin_C=-55°C, Technology=Ceramic, U/M=EA, VDC_V=50V